# Altium PCB Lay-51943_B.brd.PcbDoc (part 6 of 8)
Units mil, origin at the board's own origin, x right, y up, seen from the top; angles counter-clockwise.
Board outline 2903.05 x 2405.84 mil, 6 copper layers (TOP, L2_GND_1, L3_INT_1, L4_PWR, L5_GND_2, BOTTOM), stack 60.244 mil thick; 568 components, 400 nets, 2143 pads, 1138 vias.
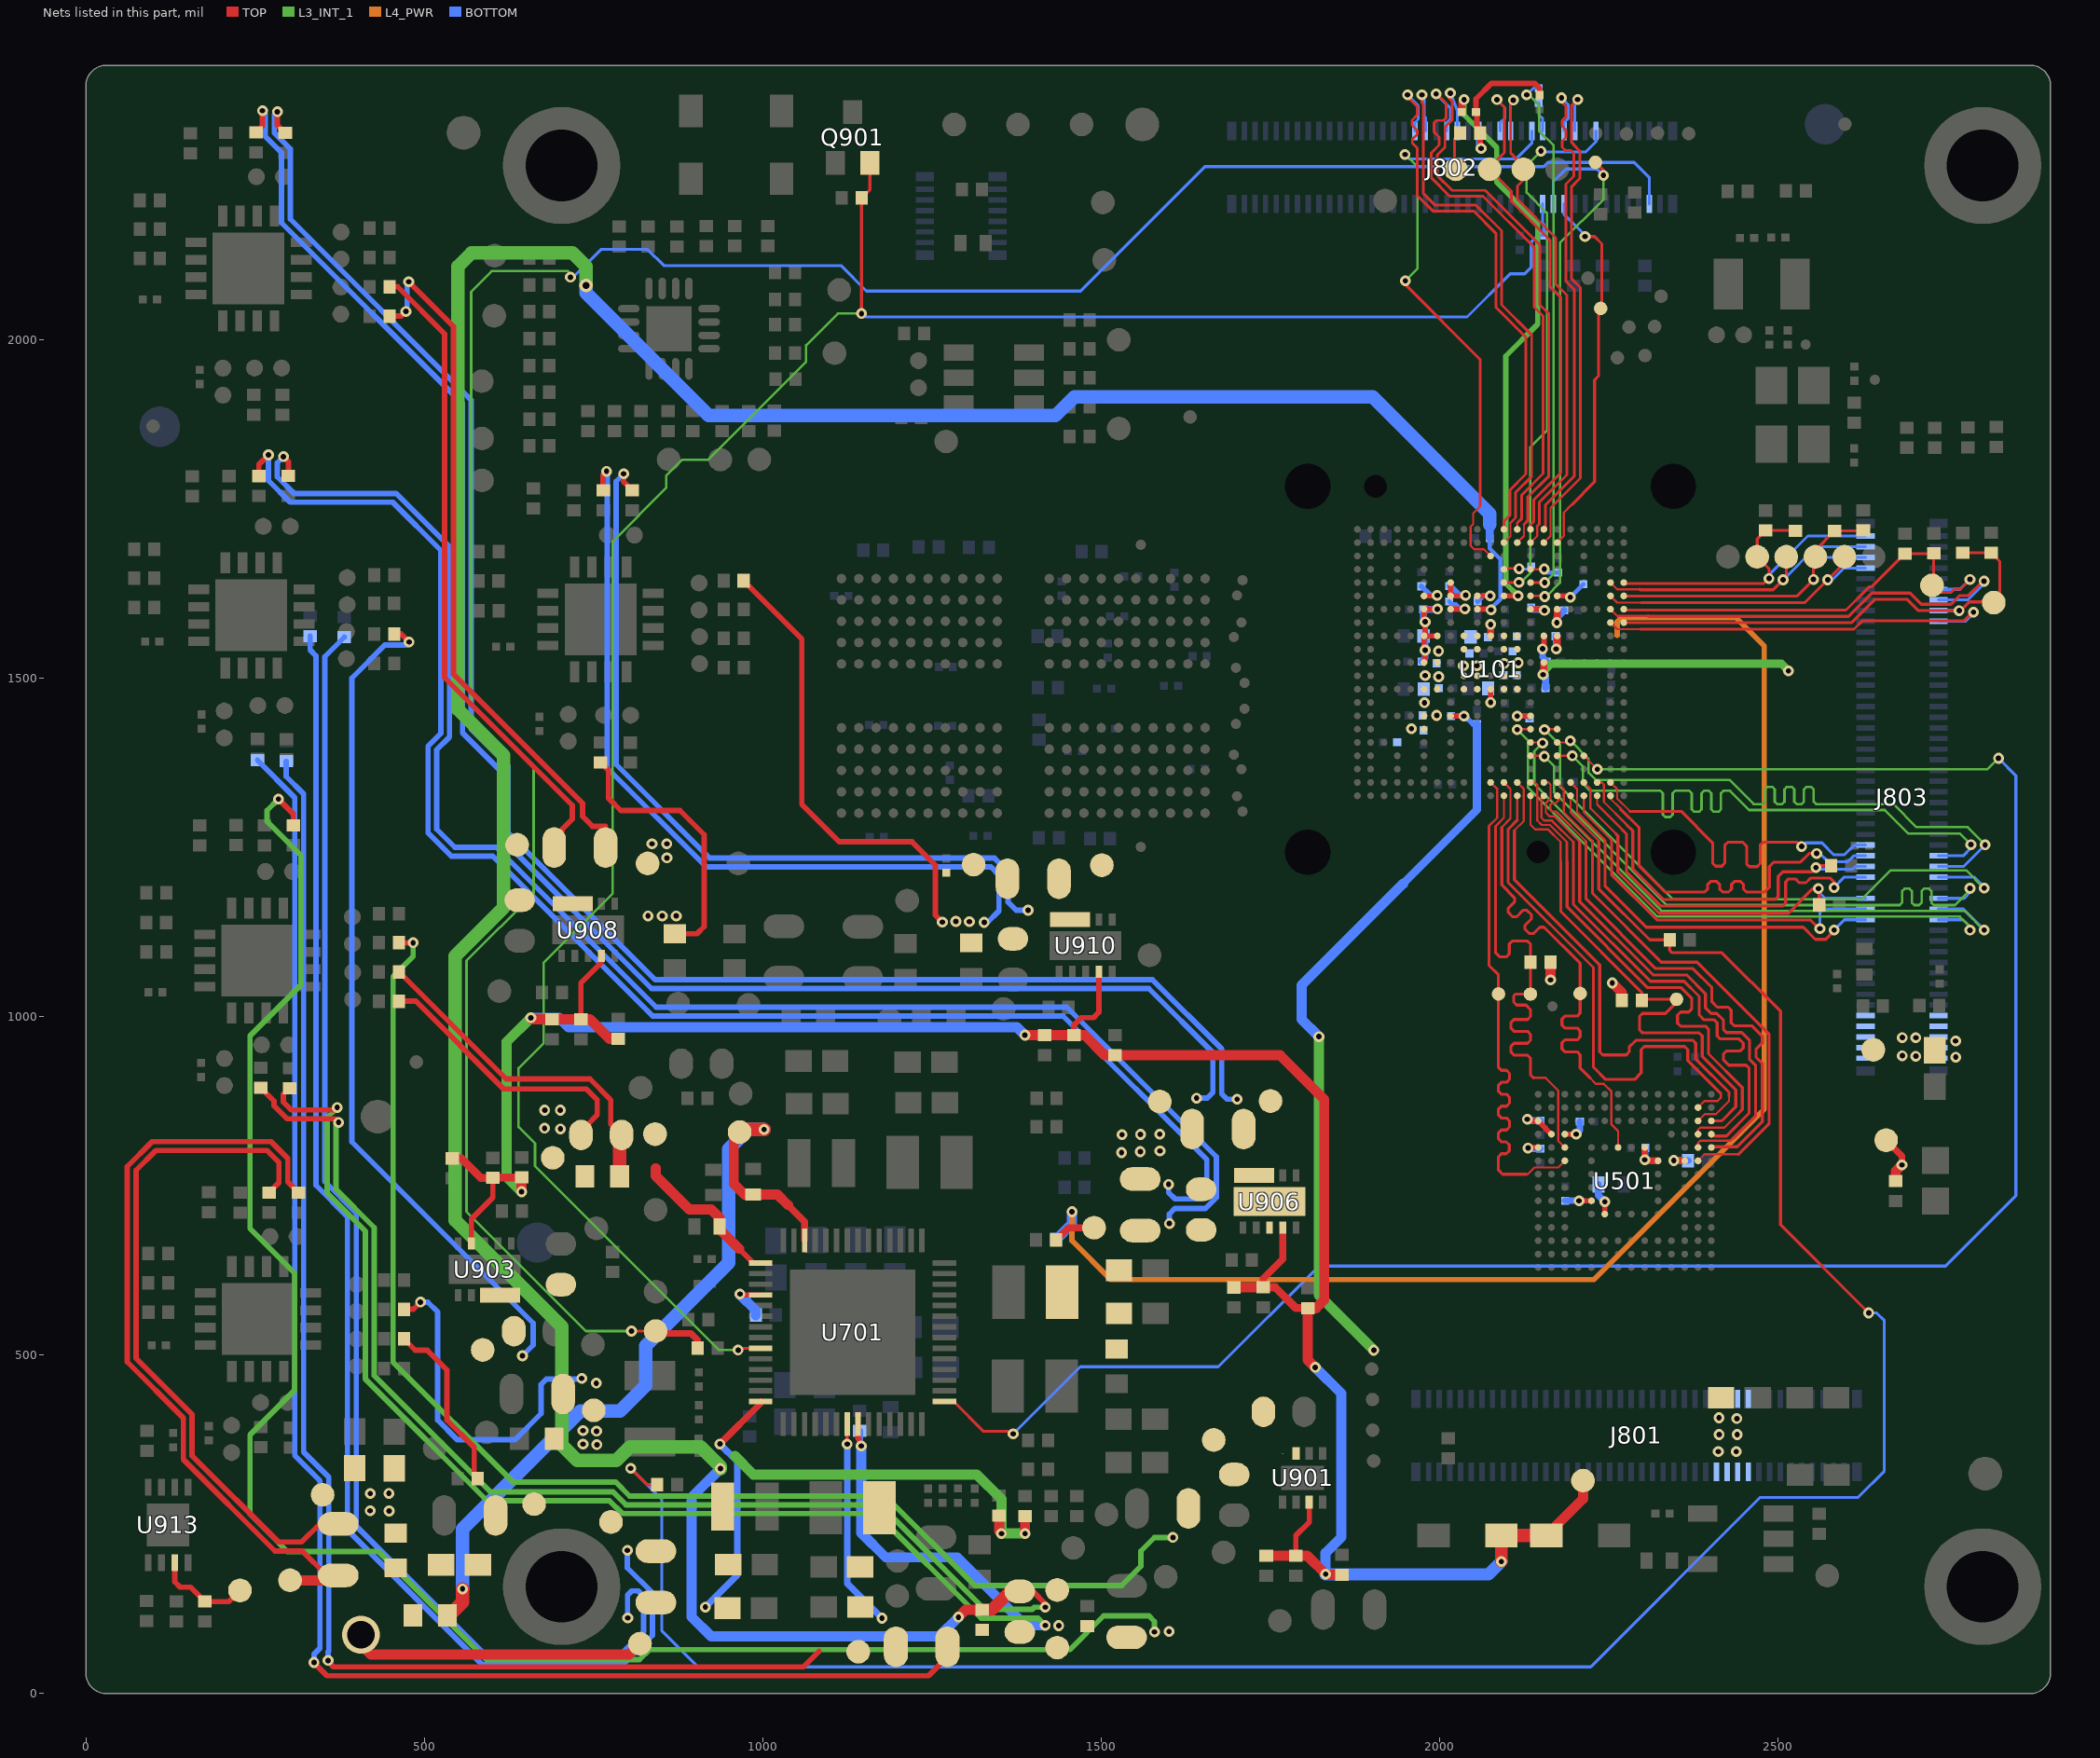
[diagram p10: the nets of this part, all layers, seen from the top]

## Via types
v1: diameter 16, hole 8, TOP to BOTTOM, tented both sides, 1003 vias
v2: diameter 20, hole 10, TOP to BOTTOM, tented both sides, 66 vias
v3: diameter 16, hole 8, TOP to BOTTOM, tented bottom, 63 vias
v4: diameter 56, hole 40, TOP to BOTTOM, 6 vias

## Nets (pads, with @x,y where several pads share a name; then routed paths per layer and width w, separated by ;. In a path a pad name is that pad's centre, name@x,y a point inside that pad or via, vN(x,y) a via of type N, cw(c..) or ccw(c..) an arc to the next point about the centre after c; other vN are vias at no path point) (continued)
POR_B: J802.57 Q901.2 R406.1 R971.2 U701.9 | length 3326.8
  TOP w4.4: v1(963.78,507.56) 966.55,510.33 U701.9@997.03,510.33 ; v1(1146.21,2039.08) R971.2@1146.21,2209.84 1158.44,2222.07 Q901.2@1158.44,2261.84
  L3_INT_1 w3.6: v1(963.78,507.56) 935.53,507.56 663.7,779.39 663.7,812.86 639.38,837.18 639.38,924.28 676.44,961.34 676.44,1080.01 778.39,1181.96 778.39,1702.53 857.51,1781.65 857.51,1799.6 881.09,1823.18 919.6,1823.18 1064.22,1967.8 1064.22,1992.11 1111.19,2039.08 v1(1146.21,2039.08)
  BOTTOM w4.4: v1(1146.21,2039.08) 1151.11,2034.18 2041.07,2034.18 2104.83,2097.94 2126.18,2097.94 2135.75,2107.51 2135.75,2144.49 2145.86,2154.6 R406.1@2154.44,2154.6 2154.44,2170.68 2152.7,2172.42 J802.57@2152.7,2201.2
S1_CPU_VDD2_DDR: R937.1 R942.2 R944.1 TP929.1 U908.10 | length 929
  TOP w8: R937.1@448.76,2078.4 449.14,2078.78 460.46,2078.78 530.21,2009.03 530.21,1501.01 718.65,1312.57 718.65,1292.02 704.08,1277.45 R944.1@704.08,1274.57
S1_CPU_VDDQ_DDR: R945.1 R973.2 R974.1 TP932.1 U910.10 | length 1188
  TOP w8: v1(794.69,1802.31) 794.69,1790.87 R945.1@807.42,1778.14
  BOTTOM w8: v1(794.69,1802.31) 783.36,1790.98 783.36,1373.06 921.72,1234.7 1342.53,1234.7 1362.76,1214.47 1362.76,1169.41 1374.64,1157.53 v1(1392.34,1157.53)
S1_NVCC_BBSM_1V8: R917.1 R919.2 R920.1 TP923.1 U903.10 | length 1252.4
  TOP w8: R917.1@455.73,1565.72 465.8,1565.72 v1(477.6,1553.92)
  BOTTOM w8: v1(477.6,1553.92) 472.92,1549.24 441.7,1549.24 392.93,1500.47 392.93,815.28 660.82,547.39 660.82,514.89 v1(645.05,499.12)
S1_VDD_SOC_0V8: R924.1 R931.2 R932.1 TP926.1 U906.10 | length 2525.7
  TOP w8: v1(282.99,2337.36) 282.99,2317.6 R924.1@294.56,2306.03
  BOTTOM w8: v1(282.99,2337.36) 278.26,2332.63 278.26,2306.02 301.97,2282.31 301.97,2178.66 569.49,1911.14 569.49,1424.99 624.1,1370.38 624.1,1271.9 841.31,1054.69 1576.16,1054.69 1678.36,952.49 1678.36,886.23 1686.37,878.22 v1(1701.13,878.22)
S1_VSYS_5V: R901.2 R904.1 R908.1 R983.1 TP920.1 U901.7 | length 1984.8
  TOP w8: R983.1@462.7,1109.42 v1(483.7,1109.42)
  L3_INT_1 w8: v1(483.7,1109.42) 483.7,1089.44 453.94,1059.68 453.94,489.52 630.81,312.65 782.72,312.65 803.44,291.93 1181.36,291.93 1313.49,159.8 1530.82,159.8 1559.1,188.08 1559.1,210.7 1579.08,230.68 v1(1606.31,230.68)
SAI1_RXD0: J803.18 U101.H20 | length 609.2
  TOP w3.2: U101.H20@2252.89,1582.54 2262.64,1572.79 2297.45,1572.79
  TOP w4.4: 2297.45,1572.79 2612.64,1572.79 2624.82,1584.97 2775.06,1584.97 2787.97,1597.88 v1(2789.14,1597.88)
  BOTTOM w4.4: J803.18@2737.55,1584.42 2777.92,1584.42 2789.14,1595.64 v1(2789.14,1597.88)
SAI1_TXC: J803.14 U101.G20 | length 672.5
  TOP w3.2: U101.G20@2252.89,1602.22 2262.82,1592.29 2308.5,1592.29
  TOP w4.4: 2308.5,1592.29 2309.2,1591.59 2604.83,1591.59 2639.37,1626.13 2695.34,1626.13 2711.9,1609.57 2756.06,1609.57 2768.91,1622.42 2781.71,1622.42 2802.97,1643.68 v1(2804.87,1643.68)
  BOTTOM w4.4: J803.14@2737.55,1615.92 2780.61,1615.92 2804.87,1640.18 v1(2804.87,1643.68)
SAI1_TXD0: J803.16 R604.2 R612.1 TP604.1 U101.H21 | length 728.9
  TOP w4.4: U101.H21@2272.57,1582.54 2272.92,1582.19 2608.73,1582.19 2643.27,1616.73 2691.44,1616.73 2708,1600.17 v1(2768.16,1600.17) 2769.92,1600.17 2782.83,1613.08 2818.16,1613.08 TP604.1@2819.24,1612 2828.2,1620.96 2828.2,1672.78 R612.1@2815.21,1685.77 2774,1685.77 R604.2@2773.69,1685.46
  BOTTOM w4.4: J803.16@2737.55,1600.17 v1(2768.16,1600.17)
SAI1_TXFS: J803.12 R603.2 R611.1 TP603.1 U101.G21 | length 662.2
  TOP w4.4: U101.G21@2272.57,1602.22 2273.8,1600.99 2600.93,1600.99 2635.47,1635.53 2639.04,1635.53 R611.1@2687.96,1684.45 R603.2@2730.58,1684.45 ; R603.2@2730.83,1684.7 R603.2@2730.58,1684.45 ; v1(2784.02,1646.23) 2769.61,1631.82 2760.67,1631.82 2755.86,1627.01 2738.59,1627.01 TP603.1@2728.1,1637.5 2730.59,1639.99 R603.2@2730.59,1684.44
  BOTTOM w4.4: J803.12@2737.55,1631.67 2769.46,1631.67 v1(2784.02,1646.23)
SD1_CLK: TP503.1 U101.Y11 U501.M6 | length 785.8
  TOP w3.2: 2073.44,1282.05 2085.6,1294.21 2085.6,1336.44 U101.Y11@2075.72,1346.32 ; 2128.29,767.43 2130.62,767.43 2140.61,777.42 2175.64,777.42 U501.M6@2185.41,787.19
  TOP w4.4: 2073.44,1282.05 2073.44,1075.79 2087.3,1061.93 TP503.1@2087.3,1033.62 2087.3,925.21 2091.7,920.81 2099.32,920.81 2103.72,916.41 2103.72,907.61 2099.32,903.21 2091.7,903.21 2087.3,898.81 2087.3,890.01 2091.7,885.61 2099.32,885.61 2103.72,881.21 2103.72,872.41 2099.32,868.01 2091.7,868.01 2087.3,863.61 2087.3,854.81 2091.7,850.41 2099.32,850.41 2103.72,846.01 2103.72,837.21 2099.32,832.81 2091.7,832.81 2087.3,828.41 2087.3,819.61 2091.7,815.21 2098.9,815.21 2103.3,810.81 2103.3,802.01 2098.9,797.61 2091.7,797.61 2087.3,793.21 2087.3,773.51 2093.38,767.43 2128.29,767.43
SD1_CMD: R502.2 TP502.1 U101.AA12 U501.M5 | length 779.9
  TOP w3.2: 2082.84,1281.54 2095.41,1294.11 U101.AA12@2095.41,1326.63 ; 2139.05,909.79 2156.89,909.79 2175.66,891.02 2175.66,881.57 2175.73,881.5 2175.73,870.04 2175.66,869.97 2175.66,861.89 2175.73,861.82 2175.73,850.35 2175.66,850.28 2175.66,842.2 2175.73,842.13 2175.73,830.67 2175.66,830.6 2175.66,822.52 2175.73,822.45 2175.73,816.55 U501.M5@2185.41,806.87
  TOP w4.4: 2082.84,1281.54 2082.84,1094.99 2089.3,1088.53 2098.89,1088.53 2103.29,1092.93 2103.29,1107.55 2107.69,1111.95 2130.3,1111.95 2134.7,1107.55 R502.2@2134.7,1080.83 2134.65,1080.78 TP502.1@2134.65,1033.52 2112.47,1033.52 2109.88,1030.93 2109.88,1021.75 2114.28,1017.35 2127.98,1017.35 2134.65,1010.68 2134.65,1000.5 2130.25,996.1 2110.25,996.1 2105.85,991.7 2105.85,982.9 2110.25,978.5 2130.25,978.5 2134.65,974.1 2134.65,965.3 2130.25,960.9 2110.25,960.9 2105.85,956.5 2105.85,947.7 2110.25,943.3 2130.25,943.3 2134.65,938.9 2134.65,914.19 2139.05,909.79
SD1_DATA0: R501.2 TP501.1 U101.AA14 U501.A3 | length 787.3
  TOP w3.2: U101.AA14@2134.78,1326.63 2134.78,1283.97 2141.95,1276.8 2160.84,1276.8 2179.24,1258.4 2179.24,1229.42
  TOP w4.4: 2179.24,1229.42 2179.24,1156.07 2299.18,1036.13 R501.2@2299.18,1024.33 2300.72,1025.87 TP501.1@2350.48,1025.87 2350.48,1021.41 2334.1,1005.03 2300.23,1005.03 2295.83,1000.63 2295.83,980.62 2300.23,976.22 2383.94,976.22 2388.34,971.82 2388.34,941.46 2437.99,891.81 2437.99,867.03 2417.2,846.24 U501.A3@2401.94,846.24
SD1_DATA1: U101.AA15 U501.A4 | length 780.4
  TOP w3.2: U101.AA15@2154.46,1326.63 2150.97,1323.14 2150.97,1294.11 2155.24,1289.84 2166.56,1289.84 2198.04,1258.36
  TOP w4.1: 2198.04,1230.86 2198.04,1258.36
  TOP w4.4: 2198.04,1230.86 2198.04,1166.27 2311.84,1052.47 2361.53,1052.47 2383.92,1030.08 2383.92,1002.93 2391.35,995.5 2406.16,995.5 2410.56,991.1 2410.56,971.69 2414.96,967.29 2442.95,967.29 2449.09,961.15 2449.09,954 2444.69,949.6 2424.65,949.6 2419.71,944.66 2419.71,936.69 2427.79,928.61 2453.26,928.61 2457.67,924.2 2457.67,857.38 2424.05,823.76 2404.74,823.76 U501.A4@2401.94,826.56
SD1_DATA2: U101.AA16 U501.A5 | length 779.7
  TOP w3.2: U101.AA16@2174.15,1326.63 2176.31,1324.47 2176.31,1319.94 2171.99,1315.62 2166.31,1315.62 2163.97,1313.28 2163.97,1306.69 2167.17,1303.49 2172.51,1303.49 2216.84,1259.16
  TOP w4.4: 2216.84,1259.16 2216.84,1174.08 2319.65,1071.27 2374.6,1071.27 2402.72,1043.15 2402.72,1022.24 2410.68,1014.28 2426.79,1014.28 2431.19,1009.88 2431.19,991.22 2435.59,986.82 2461.59,986.82 2477.36,971.05 2477.36,961.37 2467.89,951.9 2467.89,940.6 2477.36,931.13 2477.36,845.16 2440.15,807.95 2403.02,807.95 U501.A5@2401.94,806.87
SD1_DATA3: U101.AA13 U501.B2 | length 778.9
  TOP w3.2: 2115.09,1290.55 U101.AA13@2115.09,1326.63 ; U501.B2@2382.26,865.93 2392.01,875.68 2411.29,875.68 2415.79,880.18 2415.79,886.41
  TOP w4.4: 2115.09,1290.55 2101.64,1277.1 2101.64,1198.72 2227.6,1072.76 2227.6,925.49 2245.75,907.34 2288.36,907.34 2298.29,917.27 2298.29,951.55 2302.69,955.95 2362.61,955.95 2367.01,951.55 2367.01,935.19 2415.79,886.41
SD1_DATA4: U101.Y13 U501.B3 | length 782.7
  TOP w3.2: 2111.04,1275.44 2124.86,1289.26 2124.86,1336.54 U101.Y13@2115.09,1346.32 ; U501.B3@2382.26,846.24 2392.14,856.12 2408.63,856.12 2428.07,875.56 2428.07,882.69
  TOP w4.4: 2111.04,1275.44 2111.04,1202.63 2237,1076.67 2237,948.12 2241.4,943.72 2276.2,943.72 2280.6,948.12 2280.6,955.48 2290.47,965.35 2374.54,965.35 2378.94,960.95 2378.94,937.56 2428.07,888.43 2428.07,882.69
SD1_DATA5: U101.Y14 U501.B4 | length 783.3
  TOP w3.2: U101.Y14@2134.78,1346.32 2141.37,1346.32 2144.57,1343.12 2144.57,1290.14 2151.27,1283.44 2163.27,1283.44 2188.64,1258.07 ; U501.B4@2382.26,826.56 2382.26,833.12 2385.46,836.32 2421.14,836.32 2441.77,856.95
  TOP w4.1: 2188.64,1229.42 2188.64,1258.07
  TOP w4.4: 2188.64,1229.42 2188.64,1162.36 2307.93,1043.07 2357.62,1043.07 2372.77,1027.92 2372.77,1011.27 2368.37,1006.87 2356.39,1006.87 2351.99,1002.47 2351.99,990.49 2356.38,986.1 2393.34,986.1 2397.74,981.7 2397.74,945.36 2447.78,895.32 2447.78,862.96 2441.77,856.95
SD1_DATA6: U101.Y15 U501.B5 | length 791.7
  TOP w3.2: U101.Y15@2154.46,1346.32 2161.2,1346.32 2164.4,1343.12 2164.4,1322.78 2157.37,1315.75 2157.37,1301.71 2162.65,1296.43 2169.66,1296.43 2207.44,1258.65 ; U501.B5@2382.26,806.87 2382.26,813.55 2385.47,816.76 2430.36,816.76 2434.76,821.16
  TOP w4.4: 2207.44,1258.65 2207.44,1170.18 2315.75,1061.87 2365.44,1061.87 2393.32,1033.99 2393.32,1013.26 2401.68,1004.9 2410.06,1004.9 2419.96,995 2419.96,981.1 2424.37,976.69 2446.86,976.69 2458.49,965.06 2458.49,936.69 2467.42,927.76 2467.42,853.82 2434.76,821.16
SD1_DATA7: U101.Y16 U501.B6 | length 792.9
  TOP w3: U501.B6@2382.26,787.19 2391.91,796.84 2407.61,796.84
  TOP w3.2: U101.Y16@2174.15,1346.32 2183.9,1336.57 2183.9,1302 2226.24,1259.66 ; 2407.61,796.84 2441.77,796.84
  TOP w4.4: 2226.24,1259.66 2226.24,1182.38 2327.95,1080.67 2381.04,1080.67 2487.15,974.56 2487.15,841.65 2442.34,796.84 2441.77,796.84
SD1_STROBE: TP505.1 U101.Y12 U501.H5 | length 781.8
  TOP w3.2: 2092.24,1280.19 2105.16,1293.11 2105.16,1336.57 U101.Y12@2095.41,1346.32 ; 2222.37,909.79 2231.23,900.93 2242.93,900.93 2254.37,889.49 2254.37,840.83 2264.15,831.05 U501.H5@2264.15,806.87
  TOP w4.4: 2092.24,1280.19 2092.24,1194.81 2111.11,1175.94 2111.11,1169.72 2101.73,1160.34 2101.73,1154.12 2107.96,1147.89 2114.18,1147.89 2123.56,1157.27 2129.78,1157.27 2136.01,1151.04 2136.01,1144.82 2126.63,1135.44 2126.63,1129.22 2132.86,1122.99 2139.08,1122.99 2148.46,1132.37 2154.68,1132.37 2208.02,1079.03 TP505.1@2208.02,1034.42 2208.02,1005.43 2203.62,1001.03 2185.44,1001.03 2181.04,996.63 2181.04,987.83 2185.44,983.43 2203.62,983.43 2208.02,979.03 2208.02,970.23 2203.62,965.83 2185.44,965.83 2181.04,961.43 2181.04,952.63 2185.44,948.23 2203.62,948.23 2208.02,943.83 2208.02,924.14 2222.37,909.79
SD2_CLK: J803.65 U101.AA19 | length 562
  TOP w3.2: U101.AA19@2233.2,1326.63 2233.2,1313.71 2269.03,1277.88
  TOP w4.4: 2269.03,1277.88 2276.45,1270.46 2276.45,1214.67 2327.59,1163.53 2507.29,1163.53 2511.69,1167.93 2511.69,1199.3 2516.1,1203.71 2525.97,1203.71 2531.57,1198.11 2541.69,1198.11 2548.4,1204.82 2577.84,1204.82 2583.35,1199.31 v1(2583.35,1190.85)
  BOTTOM w4.4: v1(2583.35,1190.85) 2583.35,1191.23 2598.59,1206.47 J803.65@2629.85,1206.47
SD2_CMD: J803.63 R311.2 U101.Y19 | length 580.2
  TOP w3.2: U101.Y19@2233.2,1346.32 2239.94,1346.32 2243.14,1343.12 2243.14,1317.47 2275.88,1284.73
  TOP w4.4: 2275.88,1284.73 2285.85,1274.76 2285.85,1218.58 2331.3,1173.13 2496.37,1173.13 2500.77,1177.53 2500.77,1207.33 2507.66,1214.22 2551.27,1214.22 2555.67,1218.62 2555.67,1219.67 v1(2556.41,1220.41) 2559.33,1220.41 2562.28,1223.36 R311.2@2578.88,1223.36
  BOTTOM w4.4: v1(2556.41,1220.41) 2558.6,1218.22 2611.09,1218.22 2615.09,1222.22 J803.63@2629.85,1222.22
SD2_DATA0: J803.69 R310.2 U101.Y18 | length 593
  TOP w3.2: U101.Y18@2213.52,1346.32 2223.36,1336.48 2223.36,1307.91 2261.21,1270.06
  TOP w4.4: 2261.21,1270.06 2263.84,1267.43 2263.84,1213.97 2324.72,1153.09 2515.68,1153.09 2551.84,1189.25 2559.79,1189.25 v1(2560.16,1189.62) 2560.16,1188.51 2561.36,1187.31 R310.2@2561.36,1165.57
  BOTTOM w4.4: v1(2560.16,1189.62) 2560.16,1184.79 2569.98,1174.97 J803.69@2629.85,1174.97
SD2_DATA1: J803.71 U101.AA18 | length 567.9
  TOP w3.2: U101.AA18@2213.52,1326.63 2213.52,1302.09 2253.38,1262.23
  TOP w4.4: 2253.38,1262.23 2254.44,1261.17 2254.44,1210.07 2321.53,1142.98 2548.4,1142.98 2561.09,1130.29 v1(2562.39,1130.29)
  BOTTOM w4.4: v1(2562.39,1130.29) 2562.39,1154.07 2567.55,1159.23 J803.71@2629.85,1159.23
SD2_DATA2: J803.59 U101.Y20 | length 563.3
  TOP w3.2: U101.Y20@2252.89,1346.32 2262.82,1336.39 2262.82,1322.51 2281.66,1303.67
  TOP w4.4: 2281.66,1303.67 2357.36,1303.67 2403.87,1257.16 2403.87,1226.98 2408.27,1222.58 2417.29,1222.58 2421.69,1226.98 2421.69,1253.6 2426.09,1258 2448.3,1258 2454.09,1252.21 2454.09,1226.12 2458.27,1221.94 2469.65,1221.94 2474.05,1226.34 2474.05,1253.6 2478.45,1258 2529.08,1258 v1(2535.35,1251.73)
  BOTTOM w4.4: v1(2535.35,1251.73) 2540.53,1256.91 2565.36,1256.91 2582.79,1239.48 2598.74,1239.48 2612.97,1253.71 J803.59@2629.85,1253.71
SD2_DATA3: J803.61 U101.AA20 | length 565
  TOP w3.2: U101.AA20@2252.89,1326.63 2252.89,1322.53 2267.5,1307.92
  TOP w4.4: 2267.5,1307.92 2267.5,1307.08 2295.25,1279.33 2295.25,1222.48 2333.46,1184.27 2392.17,1184.27 2396.57,1188.67 2396.57,1195.64 2400.97,1200.04 2409.77,1200.04 2414.17,1195.64 2414.17,1188.67 2418.57,1184.27 2427.37,1184.27 2431.77,1188.67 2431.77,1195.64 2436.17,1200.04 2444.97,1200.04 2449.37,1195.64 2449.37,1188.67 2453.77,1184.27 2480.81,1184.27 2487.73,1191.19 2487.73,1222.09 2494.15,1228.51 2533.63,1228.51 2546.51,1241.39 v1(2557.46,1241.39)
  BOTTOM w4.4: v1(2557.46,1241.39) 2562.37,1241.39 2574.47,1229.29 2603.73,1229.29 2612.41,1237.97 J803.61@2629.85,1237.97
SD2_NCD: J803.73 U101.Y17 | length 604.9
  TOP w3.2: U101.Y17@2193.83,1346.32 2203.66,1336.49 2203.66,1302.04 2245.04,1260.66
  TOP w4.4: 2245.04,1260.66 2245.04,1192.85 2305.67,1132.22 2537.65,1132.22 2555.43,1114.44 2571.09,1114.44 2583.29,1126.64 v1(2583.29,1128.18)
  BOTTOM w4.4: v1(2583.29,1128.18) 2598.59,1143.48 J803.73@2629.85,1143.48
SD2_RESET_B: R312.2 R723.2 U101.AA17 | length 3513.5
  TOP w3.2: U101.AA17@2193.83,1326.63 2193.83,1301.97 2235.64,1260.16
  TOP w4.4: v1(805.02,332.8) 829.09,308.73 R723.2@844.22,308.73 ; 2235.64,1260.16 2235.64,1188.95 2310.97,1113.62 R312.2@2340.34,1113.62 2340.34,1098.32 2343.93,1094.73 2417.57,1094.73 2504.07,1008.23 2504.07,692.98 v1(2634.56,562.49)
  BOTTOM w4.4: v1(805.02,332.8) 851.15,286.67 851.15,92.71 904.32,39.54 2223.65,39.54 2473.83,289.72 2618.34,289.72 2657.46,328.84 2657.46,551.14 2646.11,562.49 v1(2634.56,562.49)
SD2_VSEL: U101.V18 U701.29 | length 3033.5
  TOP w3.2: U101.V18@2213.52,1385.69 v1(2233.4,1365.8)
  TOP w4.4: U701.29@1268.69,431.59 1282.45,431.59 1326.64,387.4 1366.68,387.4 v1(1370.32,383.76)
  L3_INT_1 w3.6: v1(2233.4,1365.8) 2809.99,1365.8 v1(2826.22,1382.03)
  BOTTOM w4.4: v1(1370.32,383.76) 1469.41,482.85 1673.26,482.85 1822.14,631.73 2747.93,631.73 2852.03,735.83 2852.03,1356.22 v1(2826.22,1382.03)
SD3_CLK: J803.62 U101.V16 | length 913.3
  TOP w3.2: U101.V16@2174.15,1385.69 2196.43,1385.69 v1(2196.52,1385.6)
  L3_INT_1 w3.6: v1(2196.52,1385.6) 2212,1370.12 2212,1344.98 2223.09,1333.89 2326.73,1333.89 2330.33,1330.29 2330.33,1298.88 2333.93,1295.28 2341.13,1295.28 2344.73,1298.88 2344.73,1330.29 2348.33,1333.89 2369.42,1333.89 2373.02,1330.29 2373.02,1306.67 2376.62,1303.07 2383.82,1303.07 2387.42,1306.67 2387.42,1330.29 2391.02,1333.89 2398.22,1333.89 2401.82,1330.29 2401.82,1306.67 2405.42,1303.07 2412.62,1303.07 2416.22,1306.67 2416.22,1330.29 2419.82,1333.89 2429.4,1333.89 2457.72,1305.57 2658.29,1305.57 2693.28,1270.58 2769.42,1270.58 2784.56,1255.44 2784.56,1255.29 v1(2785.45,1254.4)
  BOTTOM w4.4: J803.62@2737.55,1237.97 2774.05,1237.97 2785.45,1249.37 v1(2785.45,1254.4)
SD3_CMD: J803.64 U101.U16 | length 919.7
  TOP w3.2: U101.U16@2174.15,1405.37 2191.22,1405.37 v1(2193.68,1407.83)
  L3_INT_1 w3.6: v1(2193.68,1407.83) 2220.6,1380.91 2220.6,1360.49 2231.01,1350.08 2428.67,1350.08 2464.58,1314.17 2477.6,1314.17 2481.2,1317.77 2481.2,1336.17 2484.8,1339.77 2492,1339.77 2495.6,1336.17 2495.6,1317.77 2499.2,1314.17 2506.4,1314.17 2510,1317.77 2510,1336.17 2513.6,1339.77 2520.8,1339.77 2524.4,1336.17 2524.4,1317.77 2528,1314.17 2535.2,1314.17 2538.8,1317.77 2538.8,1336.17 2542.4,1339.77 2549.6,1339.77 2553.2,1336.17 2553.2,1317.77 2556.8,1314.17 2671.09,1314.17 2705.08,1280.18 2780.8,1280.18 2806.45,1254.53 v1(2806.45,1254.01)
  BOTTOM w4.4: J803.64@2737.55,1222.22 2774.78,1222.22 2806.45,1253.89 v1(2806.45,1254.01)
SD3_DATA0: J803.66 U101.T16 | length 912
  TOP w3.2: v1(2155.4,1424.35) 2156.11,1425.06 U101.T16@2174.15,1425.06
  L3_INT_1 w3.6: v1(2155.4,1424.35) 2178.49,1401.26 2178.49,1339.8 2344.58,1173.71 2624.14,1173.71 2666.9,1216.47 2778.73,1216.47 v1(2805.04,1190.16)
  BOTTOM w4.4: J803.66@2737.55,1206.47 2789.89,1206.47 2805.04,1191.32 v1(2805.04,1190.16)
SD3_DATA1: J803.70 U101.V14 | length 911.8
  TOP w3.2: U101.V14@2134.78,1385.69 2154.28,1385.69 v1(2155.26,1384.71)
  L3_INT_1 w3.6: v1(2155.26,1384.71) 2169.52,1370.45 2169.52,1331.69 2336.1,1165.11 2680.25,1165.11 2683.85,1168.71 2683.85,1185.82 2687.45,1189.42 2694.65,1189.42 2698.25,1185.82 2698.25,1168.71 2701.85,1165.11 2709.05,1165.11 2712.65,1168.71 2712.65,1185.82 2716.25,1189.42 2723.45,1189.42 2727.05,1185.82 2727.05,1168.71 2730.65,1165.11 2761.9,1165.11 2784.04,1187.25 v1(2784.04,1189.91)
  BOTTOM w4.4: J803.70@2737.55,1174.97 2775.25,1174.97 2784.04,1183.76 v1(2784.04,1189.91)
SD3_DATA2: J803.72 U101.U14 | length 918.6
  TOP w3.2: U101.U14@2134.78,1405.37 2151.75,1405.37 v1(2152.57,1404.55)
  L3_INT_1 w3.6: v1(2152.57,1404.55) 2140.17,1392.15 2140.17,1344.29 2327.95,1156.51 2776.66,1156.51 v1(2805.05,1128.12)
  BOTTOM w4.4: J803.72@2737.55,1159.23 2774.38,1159.23 2805.05,1128.56 v1(2805.05,1128.12)
SD3_DATA3: J803.74 U101.T14 | length 911.4
  TOP w3.2: v1(2115.15,1424.42) 2115.79,1425.06 U101.T14@2134.78,1425.06